# KiCad board q2.kicad_pcb (continued)
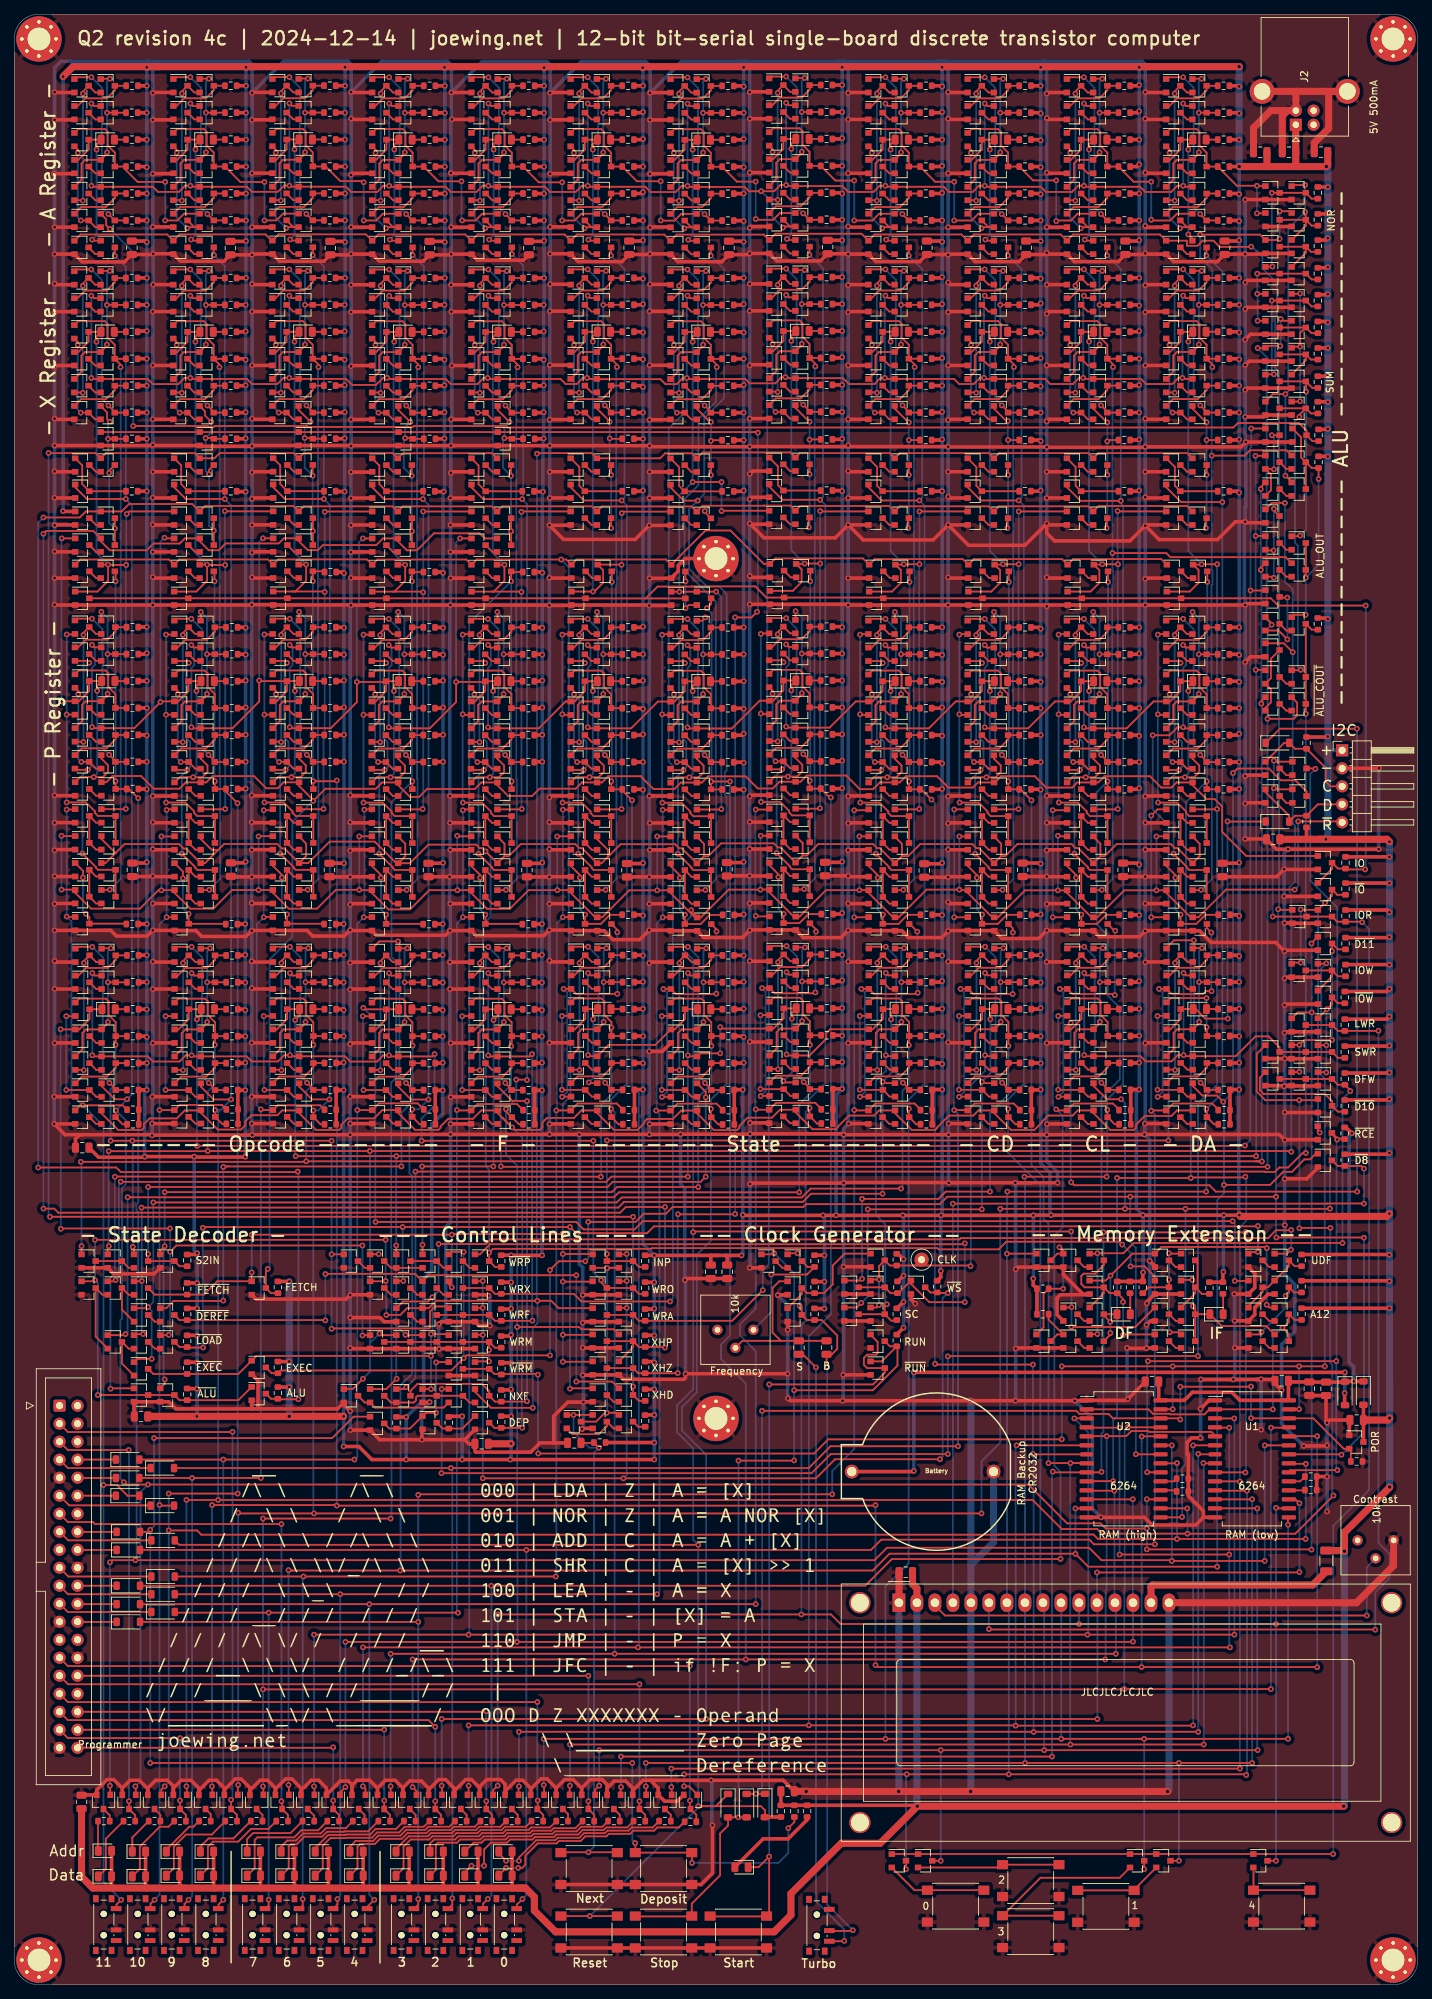
[diagram p0: board, top side]
## Placement (name value [footprint] x y rotation side) (continued)
Q988  2N7002  [SOT-23]  59.4 25.8 270 top
Q989  2N7002  [SOT-23]  66.6 25.8 270 top
Q990  2N7002  [SOT-23]  73.8 25.8 270 top
Q991  2N7002  [SOT-23]  81 25.8 270 top
Q992  2N7002  [SOT-23]  88.2 25.8 270 top
Q993  2N7002  [SOT-23]  95.4 25.8 270 top
Q994  2N7002  [SOT-23]  178.8 102.2 0 top
Q995  2N7002  [SOT-23]  175.1 98.4 0 top
Q996  2N7002  [SOT-23]  178.8 94.6 0 top
Q997  2N7002  [SOT-23]  165.6 90.8 0 top
Q998  2N7002  [SOT-23]  165.6 102.2 0 top
Q999  2N7002  [SOT-23]  175.1 102.2 0 top
Q1000  2N7002  [SOT-23]  175.1 94.6 0 top
Q1001  2N7002  [SOT-23]  165.6 98.4 0 top
Q1002  2N7002  [SOT-23]  165.6 94.6 0 top
Q1003  2N7002  [SOT-23]  161.9 98.4 0 top
Q1004  2N7002  [SOT-23]  161.9 90.8 0 top
Q1005  2N7002  [SOT-23]  161.9 102.2 0 top
Q1006  2N7002K  [SOT-23]  161.9 94.6 0 top
Q1007  2N7002  [SOT-23]  178.8 90.8 0 top
Q1009  2N7002  [SOT-23]  175.1 90.8 0 top
Q1010  2N7002  [SOT-23]  152.7 90.8 0 top
Q1011  2N7002  [SOT-23]  152.7 102.2 0 top
Q1012  2N7002  [SOT-23]  152.7 98.4 0 top
Q1013  2N7002  [SOT-23]  152.7 94.6 0 top
Q1014  2N7002  [SOT-23]  149 90.8 0 top
Q1015  2N7002  [SOT-23]  149 102.2 0 top
Q1016  2N7002K  [SOT-23]  149 94.6 0 top
Q1017  2N7002  [SOT-23]  145.2 102.2 0 top
Q1018  2N7002  [SOT-23]  145.2 90.8 0 top
R1  10k  [R_0603_1608Metric]  16.7 168.7 180 top
R2  10k  [R_0603_1608Metric]  16.75 121.4 180 top
R3  100k  [R_0603_1608Metric]  16.75 123.45 180 top
R4  10k  [R_0603_1608Metric]  16.62 267.9 180 top
R5  6.8k  [R_0603_1608Metric]  16.6 256.5 180 top
R6  10k  [R_0603_1608Metric]  16.6 264.1 180 top
R7  22k  [R_0603_1608Metric]  16.6 252.7 180 top
R8  1k  [R_0603_1608Metric]  16.6 260.3 180 top
R9  10k  [R_0603_1608Metric]  16.6 248.9 180 top
R10  10k  [R_0603_1608Metric]  16.6 218.1 180 top
R11  10k  [R_0603_1608Metric]  16.6 210.7 180 top
R12  10k  [R_0603_1608Metric]  16.58 240.79 180 top
R13  6.8k  [R_0603_1608Metric]  16.58 229.39 180 top
R14  10k  [R_0603_1608Metric]  16.58 236.99 180 top
R15  22k  [R_0603_1608Metric]  16.58 225.59 180 top
R16  1k  [R_0603_1608Metric]  16.58 233.19 180 top
R17  10k  [R_0603_1608Metric]  16.58 221.79 180 top
R18  100k  [R_0603_1608Metric]  16.65 149.65 180 top
R19  10k  [R_0603_1608Metric]  16.67 191.53 180 top
R20  6.8k  [R_0603_1608Metric]  16.67 180.13 180 top
R21  10k  [R_0603_1608Metric]  16.67 187.73 180 top
R22  22k  [R_0603_1608Metric]  16.67 176.33 180 top
R23  1k  [R_0603_1608Metric]  16.67 183.93 180 top
R24  10k  [R_0603_1608Metric]  16.67 172.53 180 top
R25  10k  [R_0603_1608Metric]  16.72 145.23 180 top
R26  6.8k  [R_0603_1608Metric]  16.72 133.83 180 top
R27  10k  [R_0603_1608Metric]  16.72 141.43 180 top
R28  22k  [R_0603_1608Metric]  16.72 130.03 180 top
R29  1k  [R_0603_1608Metric]  16.72 137.63 180 top
R30  10k  [R_0603_1608Metric]  16.72 126.23 180 top
R31  10k  [R_0603_1608Metric]  30.7 168.7 180 top
R32  10k  [R_0603_1608Metric]  30.75 121.45 180 top
R33  100k  [R_0603_1608Metric]  30.75 123.5 180 top
R34  10k  [R_0603_1608Metric]  30.55 267.91 180 top
R35  6.8k  [R_0603_1608Metric]  30.55 256.51 180 top
R36  10k  [R_0603_1608Metric]  30.55 264.11 180 top
R37  22k  [R_0603_1608Metric]  30.55 252.71 180 top
R38  1k  [R_0603_1608Metric]  30.55 260.31 180 top
R39  10k  [R_0603_1608Metric]  30.55 248.91 180 top
R40  10k  [R_0603_1608Metric]  30.56 218.1 180 top
R41  10k  [R_0603_1608Metric]  30.56 210.7 180 top
R42  10k  [R_0603_1608Metric]  30.54 240.79 180 top
R43  6.8k  [R_0603_1608Metric]  30.54 229.39 180 top
R44  10k  [R_0603_1608Metric]  30.54 236.99 180 top
R45  22k  [R_0603_1608Metric]  30.54 225.59 180 top
R46  1k  [R_0603_1608Metric]  30.54 233.19 180 top
R47  10k  [R_0603_1608Metric]  30.54 221.79 180 top
R48  100k  [R_0603_1608Metric]  30.67 149.63 180 top
R49  10k  [R_0603_1608Metric]  30.69 191.51 180 top
R50  6.8k  [R_0603_1608Metric]  30.69 180.11 180 top
R51  10k  [R_0603_1608Metric]  30.69 187.71 180 top
R52  22k  [R_0603_1608Metric]  30.69 176.31 180 top
R53  1k  [R_0603_1608Metric]  30.69 183.91 180 top
R54  10k  [R_0603_1608Metric]  30.69 172.51 180 top
R55  10k  [R_0603_1608Metric]  30.72 145.22 180 top
R56  6.8k  [R_0603_1608Metric]  30.72 133.82 180 top
R57  10k  [R_0603_1608Metric]  30.72 141.42 180 top
R58  22k  [R_0603_1608Metric]  30.72 130.02 180 top
R59  1k  [R_0603_1608Metric]  30.72 137.62 180 top
R60  10k  [R_0603_1608Metric]  30.72 126.22 180 top
R61  10k  [R_0603_1608Metric]  44.6 199.3 180 top
R62  10k  [R_0603_1608Metric]  44.6 121.4 180 top
R63  100k  [R_0603_1608Metric]  44.6 123.45 180 top
R64  10k  [R_0603_1608Metric]  44.52 267.92 180 top
R65  6.8k  [R_0603_1608Metric]  44.52 256.52 180 top
R66  10k  [R_0603_1608Metric]  44.52 264.12 180 top
R67  22k  [R_0603_1608Metric]  44.52 252.72 180 top
R68  1k  [R_0603_1608Metric]  44.52 260.32 180 top
R69  10k  [R_0603_1608Metric]  44.52 248.92 180 top
R70  10k  [R_0603_1608Metric]  44.53 218.11 180 top
R71  10k  [R_0603_1608Metric]  44.53 210.71 180 top
R72  10k  [R_0603_1608Metric]  44.51 240.8 180 top
R73  6.8k  [R_0603_1608Metric]  44.51 229.4 180 top
R74  10k  [R_0603_1608Metric]  44.51 237 180 top
R75  22k  [R_0603_1608Metric]  44.51 225.6 180 top
R76  1k  [R_0603_1608Metric]  44.51 233.2 180 top
R77  10k  [R_0603_1608Metric]  44.51 221.8 180 top
R78  100k  [R_0603_1608Metric]  44.54 149.64 180 top
R79  10k  [R_0603_1608Metric]  44.56 191.52 180 top
R80  6.8k  [R_0603_1608Metric]  44.56 180.12 180 top
R81  10k  [R_0603_1608Metric]  44.56 187.72 180 top
R82  22k  [R_0603_1608Metric]  44.56 176.32 180 top
R83  1k  [R_0603_1608Metric]  44.56 183.92 180 top
R84  10k  [R_0603_1608Metric]  44.56 172.52 180 top
R85  10k  [R_0603_1608Metric]  44.59 145.23 180 top
R86  6.8k  [R_0603_1608Metric]  44.59 133.83 180 top
R87  10k  [R_0603_1608Metric]  44.59 141.43 180 top
R88  22k  [R_0603_1608Metric]  44.59 130.03 180 top
R89  1k  [R_0603_1608Metric]  44.59 137.63 180 top
R90  10k  [R_0603_1608Metric]  44.59 126.23 180 top
R91  10k  [R_0603_1608Metric]  58.55 199.3 180 top
R92  10k  [R_0603_1608Metric]  58.6 121.4 180 top
R93  100k  [R_0603_1608Metric]  58.6 123.5 180 top
R94  10k  [R_0603_1608Metric]  58.6 267.9 180 top
R95  6.8k  [R_0603_1608Metric]  58.6 256.5 180 top
R96  10k  [R_0603_1608Metric]  58.6 264.1 180 top
R97  22k  [R_0603_1608Metric]  58.6 252.7 180 top
R98  1k  [R_0603_1608Metric]  58.6 260.3 180 top
R99  10k  [R_0603_1608Metric]  58.6 248.9 180 top
R100  10k  [R_0603_1608Metric]  58.61 218.09 180 top
R101  10k  [R_0603_1608Metric]  58.51 210.69 180 top
R102  10k  [R_0603_1608Metric]  58.59 240.78 180 top
R103  6.8k  [R_0603_1608Metric]  58.59 229.38 180 top
R104  10k  [R_0603_1608Metric]  58.59 236.98 180 top
R105  22k  [R_0603_1608Metric]  58.59 225.58 180 top
R106  1k  [R_0603_1608Metric]  58.59 233.18 180 top
R107  10k  [R_0603_1608Metric]  58.59 221.78 180 top
R108  100k  [R_0603_1608Metric]  58.52 149.62 180 top
R109  10k  [R_0603_1608Metric]  58.54 191.5 180 top
R110  6.8k  [R_0603_1608Metric]  58.54 180.1 180 top
R111  10k  [R_0603_1608Metric]  58.54 187.7 180 top
R112  22k  [R_0603_1608Metric]  58.54 176.3 180 top
R113  1k  [R_0603_1608Metric]  58.54 183.9 180 top
R114  10k  [R_0603_1608Metric]  58.54 172.5 180 top
R115  10k  [R_0603_1608Metric]  58.57 145.22 180 top
R116  6.8k  [R_0603_1608Metric]  58.57 133.82 180 top
R117  10k  [R_0603_1608Metric]  58.57 141.42 180 top
R118  22k  [R_0603_1608Metric]  58.57 130.02 180 top
R119  1k  [R_0603_1608Metric]  58.57 137.62 180 top
R120  10k  [R_0603_1608Metric]  58.57 126.22 180 top
R121  10k  [R_0603_1608Metric]  72.55 199.3 180 top
R122  10k  [R_0603_1608Metric]  72.6 121.4 180 top
R123  100k  [R_0603_1608Metric]  72.6 123.4 180 top
R124  10k  [R_0603_1608Metric]  72.6 267.9 180 top
R125  6.8k  [R_0603_1608Metric]  72.6 256.5 180 top
R126  10k  [R_0603_1608Metric]  72.6 264.1 180 top
R127  22k  [R_0603_1608Metric]  72.6 252.7 180 top
R128  1k  [R_0603_1608Metric]  72.6 260.3 180 top
R129  10k  [R_0603_1608Metric]  72.6 248.9 180 top
R130  10k  [R_0603_1608Metric]  72.61 218.09 180 top
R131  10k  [R_0603_1608Metric]  72.51 210.69 180 top
R132  10k  [R_0603_1608Metric]  72.59 240.78 180 top
R133  6.8k  [R_0603_1608Metric]  72.59 229.38 180 top
R134  10k  [R_0603_1608Metric]  72.59 236.98 180 top
R135  22k  [R_0603_1608Metric]  72.59 225.58 180 top
R136  1k  [R_0603_1608Metric]  72.59 233.18 180 top
R137  10k  [R_0603_1608Metric]  72.59 221.78 180 top
R138  100k  [R_0603_1608Metric]  72.52 149.62 180 top
R139  10k  [R_0603_1608Metric]  72.54 191.5 180 top
R140  6.8k  [R_0603_1608Metric]  72.54 180.1 180 top
R141  10k  [R_0603_1608Metric]  72.54 187.7 180 top
R142  22k  [R_0603_1608Metric]  72.54 176.3 180 top
R143  1k  [R_0603_1608Metric]  72.54 183.9 180 top
R144  10k  [R_0603_1608Metric]  72.54 172.5 180 top
R145  10k  [R_0603_1608Metric]  72.57 145.22 180 top
R146  6.8k  [R_0603_1608Metric]  72.57 133.82 180 top
R147  10k  [R_0603_1608Metric]  72.57 141.42 180 top
R148  22k  [R_0603_1608Metric]  72.57 130.02 180 top
R149  1k  [R_0603_1608Metric]  72.57 137.62 180 top
R150  10k  [R_0603_1608Metric]  72.57 126.22 180 top
R151  10k  [R_0603_1608Metric]  114.6 168.75 180 top
R152  10k  [R_0603_1608Metric]  114.67 121.5 180 top
R153  100k  [R_0603_1608Metric]  114.67 123.5 180 top
R154  10k  [R_0603_1608Metric]  114.6 268 180 top
R155  6.8k  [R_0603_1608Metric]  114.6 256.6 180 top
R156  10k  [R_0603_1608Metric]  114.6 264.2 180 top
R157  22k  [R_0603_1608Metric]  114.6 252.8 180 top
R158  1k  [R_0603_1608Metric]  114.6 260.4 180 top
R159  10k  [R_0603_1608Metric]  114.6 249 180 top
R160  100k  [R_0603_1608Metric]  114.68 151.05 180 top
R161  10k  [R_0603_1608Metric]  114.6 191.6 180 top
R162  6.8k  [R_0603_1608Metric]  114.6 180.2 180 top
R163  10k  [R_0603_1608Metric]  114.6 187.8 180 top
R164  22k  [R_0603_1608Metric]  114.6 176.4 180 top
R165  1k  [R_0603_1608Metric]  114.6 184 180 top
R166  10k  [R_0603_1608Metric]  114.6 172.6 180 top
R167  10k  [R_0603_1608Metric]  114.6 218.02 180 top
R168  10k  [R_0603_1608Metric]  114.6 210.8 180 top
R169  10k  [R_0603_1608Metric]  114.6 240.9 180 top
R170  6.8k  [R_0603_1608Metric]  114.6 229.5 180 top
R171  10k  [R_0603_1608Metric]  114.6 237.1 180 top
R172  22k  [R_0603_1608Metric]  114.6 225.7 180 top
R173  1k  [R_0603_1608Metric]  114.6 233.3 180 top
R174  10k  [R_0603_1608Metric]  114.6 221.9 180 top
R175  10k  [R_0603_1608Metric]  114.65 145.35 180 top
R176  6.8k  [R_0603_1608Metric]  114.65 133.95 180 top
R177  10k  [R_0603_1608Metric]  114.65 141.55 180 top
R178  22k  [R_0603_1608Metric]  114.65 130.15 180 top
R179  1k  [R_0603_1608Metric]  114.65 137.75 180 top
R180  10k  [R_0603_1608Metric]  114.65 126.35 180 top
R181  10k  [R_0603_1608Metric]  128.6 168.65 180 top
R182  10k  [R_0603_1608Metric]  128.68 121.4 180 top
R183  100k  [R_0603_1608Metric]  128.68 123.4 180 top
R184  10k  [R_0603_1608Metric]  128.6 267.9 180 top
R185  6.8k  [R_0603_1608Metric]  128.6 256.5 180 top
R186  10k  [R_0603_1608Metric]  128.6 264.1 180 top
R187  22k  [R_0603_1608Metric]  128.6 252.7 180 top
R188  1k  [R_0603_1608Metric]  128.6 260.3 180 top
R189  10k  [R_0603_1608Metric]  128.6 248.9 180 top
R190  100k  [R_0603_1608Metric]  128.68 150.95 180 top
R191  10k  [R_0603_1608Metric]  128.6 191.5 180 top
R192  6.8k  [R_0603_1608Metric]  128.6 180.1 180 top
R193  10k  [R_0603_1608Metric]  128.6 187.7 180 top
R194  22k  [R_0603_1608Metric]  128.6 176.3 180 top
R195  1k  [R_0603_1608Metric]  128.6 183.9 180 top
R196  10k  [R_0603_1608Metric]  128.6 172.5 180 top
R197  10k  [R_0603_1608Metric]  128.6 217.92 180 top
R198  10k  [R_0603_1608Metric]  128.6 210.7 180 top
R199  10k  [R_0603_1608Metric]  128.6 240.8 180 top
R200  6.8k  [R_0603_1608Metric]  128.6 229.4 180 top
R201  10k  [R_0603_1608Metric]  128.6 237 180 top
R202  22k  [R_0603_1608Metric]  128.6 225.6 180 top
R203  1k  [R_0603_1608Metric]  128.6 233.2 180 top
R204  10k  [R_0603_1608Metric]  128.6 221.8 180 top
R205  10k  [R_0603_1608Metric]  128.65 145.25 180 top
R206  6.8k  [R_0603_1608Metric]  128.65 133.85 180 top
R207  10k  [R_0603_1608Metric]  128.65 141.45 180 top
R208  22k  [R_0603_1608Metric]  128.65 130.05 180 top
R209  1k  [R_0603_1608Metric]  128.65 137.65 180 top
R210  10k  [R_0603_1608Metric]  128.65 126.25 180 top
R211  10k  [R_0603_1608Metric]  156.6 168.65 180 top
R212  10k  [R_0603_1608Metric]  156.68 121.4 180 top
R213  100k  [R_0603_1608Metric]  156.68 123.4 180 top
R214  10k  [R_0603_1608Metric]  156.6 267.9 180 top
R215  6.8k  [R_0603_1608Metric]  156.6 256.5 180 top
R216  10k  [R_0603_1608Metric]  156.6 264.1 180 top
R217  22k  [R_0603_1608Metric]  156.6 252.7 180 top
R218  1k  [R_0603_1608Metric]  156.6 260.3 180 top
R219  10k  [R_0603_1608Metric]  156.6 248.9 180 top
R220  100k  [R_0603_1608Metric]  156.68 150.95 180 top
R221  10k  [R_0603_1608Metric]  156.6 191.5 180 top
R222  6.8k  [R_0603_1608Metric]  156.6 180.1 180 top
R223  10k  [R_0603_1608Metric]  156.6 187.7 180 top
R224  22k  [R_0603_1608Metric]  156.6 176.3 180 top
R225  1k  [R_0603_1608Metric]  156.6 183.9 180 top
R226  10k  [R_0603_1608Metric]  156.6 172.5 180 top
R227  10k  [R_0603_1608Metric]  156.6 217.92 180 top
R228  10k  [R_0603_1608Metric]  156.6 210.7 180 top
R229  10k  [R_0603_1608Metric]  156.6 240.8 180 top
R230  6.8k  [R_0603_1608Metric]  156.6 229.4 180 top
R231  10k  [R_0603_1608Metric]  156.6 237 180 top
R232  22k  [R_0603_1608Metric]  156.6 225.6 180 top
R233  1k  [R_0603_1608Metric]  156.6 233.2 180 top
R234  10k  [R_0603_1608Metric]  156.6 221.8 180 top
R235  10k  [R_0603_1608Metric]  156.65 145.25 180 top
R236  6.8k  [R_0603_1608Metric]  156.65 133.85 180 top
R237  10k  [R_0603_1608Metric]  156.65 141.45 180 top
R238  22k  [R_0603_1608Metric]  156.65 130.05 180 top
R239  1k  [R_0603_1608Metric]  156.65 137.65 180 top
R240  10k  [R_0603_1608Metric]  156.65 126.25 180 top
R241  10k  [R_0603_1608Metric]  170.6 168.65 180 top
R242  10k  [R_0603_1608Metric]  170.68 121.4 180 top
R243  100k  [R_0603_1608Metric]  170.68 123.4 180 top
R244  10k  [R_0603_1608Metric]  170.6 267.9 180 top
R245  6.8k  [R_0603_1608Metric]  170.6 256.5 180 top
R246  10k  [R_0603_1608Metric]  170.6 264.1 180 top
R247  22k  [R_0603_1608Metric]  170.6 252.7 180 top
R248  1k  [R_0603_1608Metric]  170.6 260.3 180 top
R249  10k  [R_0603_1608Metric]  170.6 248.9 180 top
R250  100k  [R_0603_1608Metric]  170.68 150.95 180 top
R251  10k  [R_0603_1608Metric]  170.6 191.5 180 top
R252  6.8k  [R_0603_1608Metric]  170.6 180.1 180 top
R253  10k  [R_0603_1608Metric]  170.6 187.7 180 top
R254  22k  [R_0603_1608Metric]  170.6 176.3 180 top
R255  1k  [R_0603_1608Metric]  170.6 183.9 180 top
R256  10k  [R_0603_1608Metric]  170.6 172.5 180 top
R257  10k  [R_0603_1608Metric]  170.6 217.92 180 top
R258  10k  [R_0603_1608Metric]  170.6 210.7 180 top
R259  10k  [R_0603_1608Metric]  170.6 240.8 180 top
R260  6.8k  [R_0603_1608Metric]  170.6 229.4 180 top
R261  10k  [R_0603_1608Metric]  170.6 237 180 top
R262  22k  [R_0603_1608Metric]  170.6 225.6 180 top
R263  1k  [R_0603_1608Metric]  170.6 233.2 180 top
R264  10k  [R_0603_1608Metric]  170.6 221.8 180 top
R265  10k  [R_0603_1608Metric]  170.65 145.25 180 top
R266  6.8k  [R_0603_1608Metric]  170.65 133.85 180 top
R267  10k  [R_0603_1608Metric]  170.65 141.45 180 top
R268  22k  [R_0603_1608Metric]  170.65 130.05 180 top
R269  1k  [R_0603_1608Metric]  170.65 137.65 180 top
R270  10k  [R_0603_1608Metric]  170.65 126.25 180 top
R271  10k  [R_0603_1608Metric]  112.9 94.6 270 top
R272  10k  [R_0603_1608Metric]  112.9 102.1 270 top
R273  10k  [R_0603_1608Metric]  112.9 98.4 270 top
R274  100  [R_1206_3216Metric]  185.1 59.8 90 top
R275  4.7k  [R_0603_1608Metric]  124.5 102.3 270 top
R276  4.7k  [R_0603_1608Metric]  124.5 94.6 270 top
R277  4.7k  [R_0603_1608Metric]  124.6 98.4 270 top
R278  10k  [R_0603_1608Metric]  124.5 90.9 270 top
R279  1k  [R_0603_1608Metric]  111.85 24.5 270 top
R280  10k  [R_0603_1608Metric]  181.6 98.5 270 top
R281  10k  [R_0603_1608Metric]  187.68 120.12 270 top
R282  100k  [R_0603_1608Metric]  182.9 69.8 180 top
R283  100k  [R_0603_1608Metric]  164.8 69.6 180 top
R284  100k  [R_0603_1608Metric]  182.9 71.7 180 top
R285  100k  [R_0603_1608Metric]  164.8 71.4 180 top
R286  100k  [R_0603_1608Metric]  189.38 73.82 180 top
R287  10k  [R_0603_1608Metric]  187.8 158.3 270 top
R288  10k  [R_0603_1608Metric]  187.8 154.6 270 top
R289  10k  [R_0603_1608Metric]  187.7 135.4 270 top
R290  10k  [R_0603_1608Metric]  187.8 146.9 270 top
R291  10k  [R_0603_1608Metric]  187.8 150.8 270 top
R292  10k  [R_0603_1608Metric]  187.7 131.6 270 top
R293  10k  [R_0603_1608Metric]  187.8 143.1 270 top
R294  10k  [R_0603_1608Metric]  187.7 139.3 270 top
R295  10k  [R_0603_1608Metric]  187.7 127.8 270 top
R296  10k  [R_0603_1608Metric]  187.7 124 270 top
R297  1k  [R_0603_1608Metric]  24.4 98.2 270 top
R298  10k  [R_0603_1608Metric]  24.4 94.6 270 top
R299  10k  [R_0603_1608Metric]  24.4 90.8 270 top
R300  10k  [R_0603_1608Metric]  24.4 87 270 top
R301  4.7k  [R_0603_1608Metric]  37.2 98.4 270 top
R302  4.7k  [R_0603_1608Metric]  37.2 87.1 270 top
R303  10k  [R_0603_1608Metric]  24.4 102.2 270 top
R304  1k  [R_0603_1608Metric]  24.4 83.3 270 top
R305  4.7k  [R_0603_1608Metric]  37.2 83.5 270 top
R306  4.7k  [R_0603_1608Metric]  89 90.8 270 top
R307  10k  [R_0603_1608Metric]  89 102.1 270 top
R308  4.7k  [R_0603_1608Metric]  130.2 98.5 270 top
R309  10k  [R_0603_1608Metric]  68.7 83.1 270 top
R310  4.7k  [R_0603_1608Metric]  89 87.1 270 top
R311  1k  [R_0603_1608Metric]  89 79.55 270 top
R312  100k  [R_0603_1608Metric]  82.6 76.5 180 top
R313  10k  [R_0603_1608Metric]  89 83.2 270 top
R314  10k  [R_0603_1608Metric]  68.7 90.7 270 top
R315  1k  [R_0603_1608Metric]  68.7 98.3 270 top
R317  10k  [R_0603_1608Metric]  68.7 94.5 270 top
R318  10k  [R_0603_1608Metric]  53.92 79.3 270 top
R319  10k  [R_0603_1608Metric]  61.3 79.3 270 top
R320  10k  [R_0603_1608Metric]  68.7 79.4 270 top
R321  1k  [R_0603_1608Metric]  68.7 102.1 270 top
R322  1k  [R_0603_1608Metric]  89 94.5 270 top
R323  4.7k  [R_0603_1608Metric]  89 98.3 270 top
R324  10k  [R_0603_1608Metric]  183.9 252.8 270 top
R325  10k  [R_0603_1608Metric]  183.9 237.6 270 top
R326  10k  [R_0603_1608Metric]  183.9 241.4 270 top
R327  10k  [R_0603_1608Metric]  183.9 226.1 270 top
R328  10k  [R_0603_1608Metric]  183.9 249 270 top
R329  10k  [R_0603_1608Metric]  183.9 233.82 270 top
R330  10k  [R_0603_1608Metric]  183.9 245.3 270 top
R331  10k  [R_0603_1608Metric]  183.9 230.1 270 top
R332  10k  [R_0603_1608Metric]  183.9 222.5 270 top
R333  10k  [R_0603_1608Metric]  183.9 192 270 top
R334  10k  [R_0603_1608Metric]  184 214.8 270 top
R335  10k  [R_0603_1608Metric]  184 218.6 270 top
R336  10k  [R_0603_1608Metric]  142.6 168.65 180 top
R337  10k  [R_0603_1608Metric]  142.68 121.4 180 top
R338  100k  [R_0603_1608Metric]  142.68 123.4 180 top
R339  10k  [R_0603_1608Metric]  142.6 267.9 180 top
R340  6.8k  [R_0603_1608Metric]  142.6 256.5 180 top
R341  10k  [R_0603_1608Metric]  142.6 264.1 180 top
R342  22k  [R_0603_1608Metric]  142.6 252.7 180 top
R343  1k  [R_0603_1608Metric]  142.6 260.3 180 top
R344  10k  [R_0603_1608Metric]  142.6 248.9 180 top
R345  100k  [R_0603_1608Metric]  142.68 150.95 180 top
R346  10k  [R_0603_1608Metric]  142.6 191.5 180 top
R347  6.8k  [R_0603_1608Metric]  142.6 180.1 180 top
R348  10k  [R_0603_1608Metric]  142.6 187.7 180 top
R349  22k  [R_0603_1608Metric]  142.6 176.3 180 top
R350  1k  [R_0603_1608Metric]  142.6 183.9 180 top
R351  10k  [R_0603_1608Metric]  142.6 172.5 180 top
R352  10k  [R_0603_1608Metric]  142.6 217.92 180 top
R353  10k  [R_0603_1608Metric]  142.6 210.7 180 top
R354  10k  [R_0603_1608Metric]  142.6 240.8 180 top
R355  6.8k  [R_0603_1608Metric]  142.6 229.4 180 top
R356  10k  [R_0603_1608Metric]  142.6 237 180 top
R357  22k  [R_0603_1608Metric]  142.6 225.6 180 top
R358  1k  [R_0603_1608Metric]  142.6 233.2 180 top
R359  10k  [R_0603_1608Metric]  142.6 221.8 180 top
R360  10k  [R_0603_1608Metric]  142.65 145.25 180 top
R361  6.8k  [R_0603_1608Metric]  142.65 133.85 180 top
R362  10k  [R_0603_1608Metric]  142.65 141.45 180 top
R363  22k  [R_0603_1608Metric]  142.65 130.05 180 top
R364  1k  [R_0603_1608Metric]  142.65 137.65 180 top
R365  10k  [R_0603_1608Metric]  142.65 126.25 180 top
R366  10k  [R_0603_1608Metric]  187.69 116.35 90 top
R367  10k  [R_0603_1608Metric]  182.3 164.1 90 top
R368  10k  [R_0603_1608Metric]  182.3 175.2 270 top
R369  10k  [R_0603_1608Metric]  100.68 168.63 180 top
R370  10k  [R_0603_1608Metric]  100.76 121.38 180 top
R371  100k  [R_0603_1608Metric]  100.76 123.38 180 top
R372  10k  [R_0603_1608Metric]  100.68 267.88 180 top
R373  6.8k  [R_0603_1608Metric]  100.68 256.48 180 top
R374  10k  [R_0603_1608Metric]  100.68 264.08 180 top
R375  22k  [R_0603_1608Metric]  100.68 252.68 180 top
R376  1k  [R_0603_1608Metric]  100.68 260.28 180 top
R377  10k  [R_0603_1608Metric]  100.68 248.88 180 top
R378  100k  [R_0603_1608Metric]  100.76 150.93 180 top
R379  10k  [R_0603_1608Metric]  100.68 191.48 180 top
R380  6.8k  [R_0603_1608Metric]  100.68 180.08 180 top
R381  10k  [R_0603_1608Metric]  100.68 187.68 180 top
R382  22k  [R_0603_1608Metric]  100.68 176.28 180 top
R383  1k  [R_0603_1608Metric]  100.68 183.88 180 top
R384  10k  [R_0603_1608Metric]  100.68 172.48 180 top
R385  10k  [R_0603_1608Metric]  100.68 217.9 180 top
R386  10k  [R_0603_1608Metric]  100.68 210.68 180 top
R387  10k  [R_0603_1608Metric]  100.68 240.78 180 top
R388  6.8k  [R_0603_1608Metric]  100.68 229.38 180 top
R389  10k  [R_0603_1608Metric]  100.68 236.98 180 top
R390  22k  [R_0603_1608Metric]  100.68 225.58 180 top
R391  1k  [R_0603_1608Metric]  100.68 233.18 180 top
R392  10k  [R_0603_1608Metric]  100.68 221.78 180 top
R393  10k  [R_0603_1608Metric]  100.73 145.23 180 top
R394  6.8k  [R_0603_1608Metric]  100.73 133.83 180 top
R395  10k  [R_0603_1608Metric]  100.73 141.43 180 top
R396  22k  [R_0603_1608Metric]  100.73 130.03 180 top
R397  1k  [R_0603_1608Metric]  100.73 137.63 180 top
R398  10k  [R_0603_1608Metric]  100.73 126.23 180 top
R399  10k  [R_0603_1608Metric]  86.6 168.65 180 top
R400  10k  [R_0603_1608Metric]  86.67 121.4 180 top
R401  100k  [R_0603_1608Metric]  86.67 123.4 180 top
R402  10k  [R_0603_1608Metric]  86.6 267.9 180 top
R403  6.8k  [R_0603_1608Metric]  86.6 256.5 180 top
R404  10k  [R_0603_1608Metric]  86.6 264.1 180 top
R405  22k  [R_0603_1608Metric]  86.6 252.7 180 top
R406  1k  [R_0603_1608Metric]  86.6 260.3 180 top
R407  10k  [R_0603_1608Metric]  86.6 248.9 180 top
R408  100k  [R_0603_1608Metric]  86.6 150.95 180 top
R409  10k  [R_0603_1608Metric]  86.6 191.5 180 top
R410  6.8k  [R_0603_1608Metric]  86.6 180.1 180 top
R411  10k  [R_0603_1608Metric]  86.6 187.7 180 top
R412  22k  [R_0603_1608Metric]  86.6 176.3 180 top
R413  1k  [R_0603_1608Metric]  86.6 183.9 180 top
R414  10k  [R_0603_1608Metric]  86.6 172.5 180 top
R415  10k  [R_0603_1608Metric]  86.6 218.1 180 top
R416  10k  [R_0603_1608Metric]  86.6 210.7 180 top
R417  10k  [R_0603_1608Metric]  86.6 240.8 180 top
R418  6.8k  [R_0603_1608Metric]  86.6 229.4 180 top
R419  10k  [R_0603_1608Metric]  86.6 237 180 top
R420  22k  [R_0603_1608Metric]  86.6 225.6 180 top
R421  1k  [R_0603_1608Metric]  86.6 233.2 180 top
R422  10k  [R_0603_1608Metric]  86.6 221.8 180 top
R423  10k  [R_0603_1608Metric]  86.65 145.25 180 top
R424  6.8k  [R_0603_1608Metric]  86.65 133.85 180 top
R425  10k  [R_0603_1608Metric]  86.65 141.45 180 top
R426  22k  [R_0603_1608Metric]  86.65 130.05 180 top
R427  1k  [R_0603_1608Metric]  86.65 137.65 180 top
R428  10k  [R_0603_1608Metric]  86.65 126.25 180 top
R429  1k  [R_0603_1608Metric]  12.65 23.1 0 top
R430  1k  [R_0603_1608Metric]  19.8 23.1 0 top
R431  1k  [R_0603_1608Metric]  26.9 23.1 0 top
R432  1k  [R_0603_1608Metric]  34.2 23.1 0 top
R433  1k  [R_0603_1608Metric]  55.8 23.1 0 top
R434  1k  [R_0603_1608Metric]  63 23.1 0 top
R435  1k  [R_0603_1608Metric]  70.2 23.1 0 top
R436  1k  [R_0603_1608Metric]  41.5 23.1 0 top
R437  1k  [R_0603_1608Metric]  48.6 23.1 0 top
R438  1k  [R_0603_1608Metric]  77.3 23.1 0 top
R439  1k  [R_0603_1608Metric]  84.6 23.1 0 top
R440  1k  [R_0603_1608Metric]  91.8 23.1 0 top
R441  1k  [R_0603_1608Metric]  16.25 23.1 0 top
R442  1k  [R_0603_1608Metric]  23.4 23.1 0 top
R443  1k  [R_0603_1608Metric]  30.6 23.1 0 top
R444  1k  [R_0603_1608Metric]  37.8 23.1 0 top
R445  1k  [R_0603_1608Metric]  45 23.1 0 top
R446  1k  [R_0603_1608Metric]  52.2 23.1 0 top
R447  1k  [R_0603_1608Metric]  59.4 23.1 0 top
R448  1k  [R_0603_1608Metric]  66.6 23.1 0 top
R449  1k  [R_0603_1608Metric]  73.8 23.1 0 top
R450  1k  [R_0603_1608Metric]  81 23.1 0 top
R451  1k  [R_0603_1608Metric]  88.2 23.1 0 top
R452  1k  [R_0603_1608Metric]  95.4 23 0 top
R453  10k  [R_0603_1608Metric]  108.15 24.5 90 top
R454  10k  [R_0603_1608Metric]  181.6 102.2 270 top
R455  10k  [R_0603_1608Metric]  181.6 94.62 270 top
R456  10k  [R_0603_1608Metric]  159.2 98.4 270 top
R457  1k  [R_0603_1608Metric]  170.5 98.3 270 top